# KiCad board XMS0004.kicad_pcb (continued)
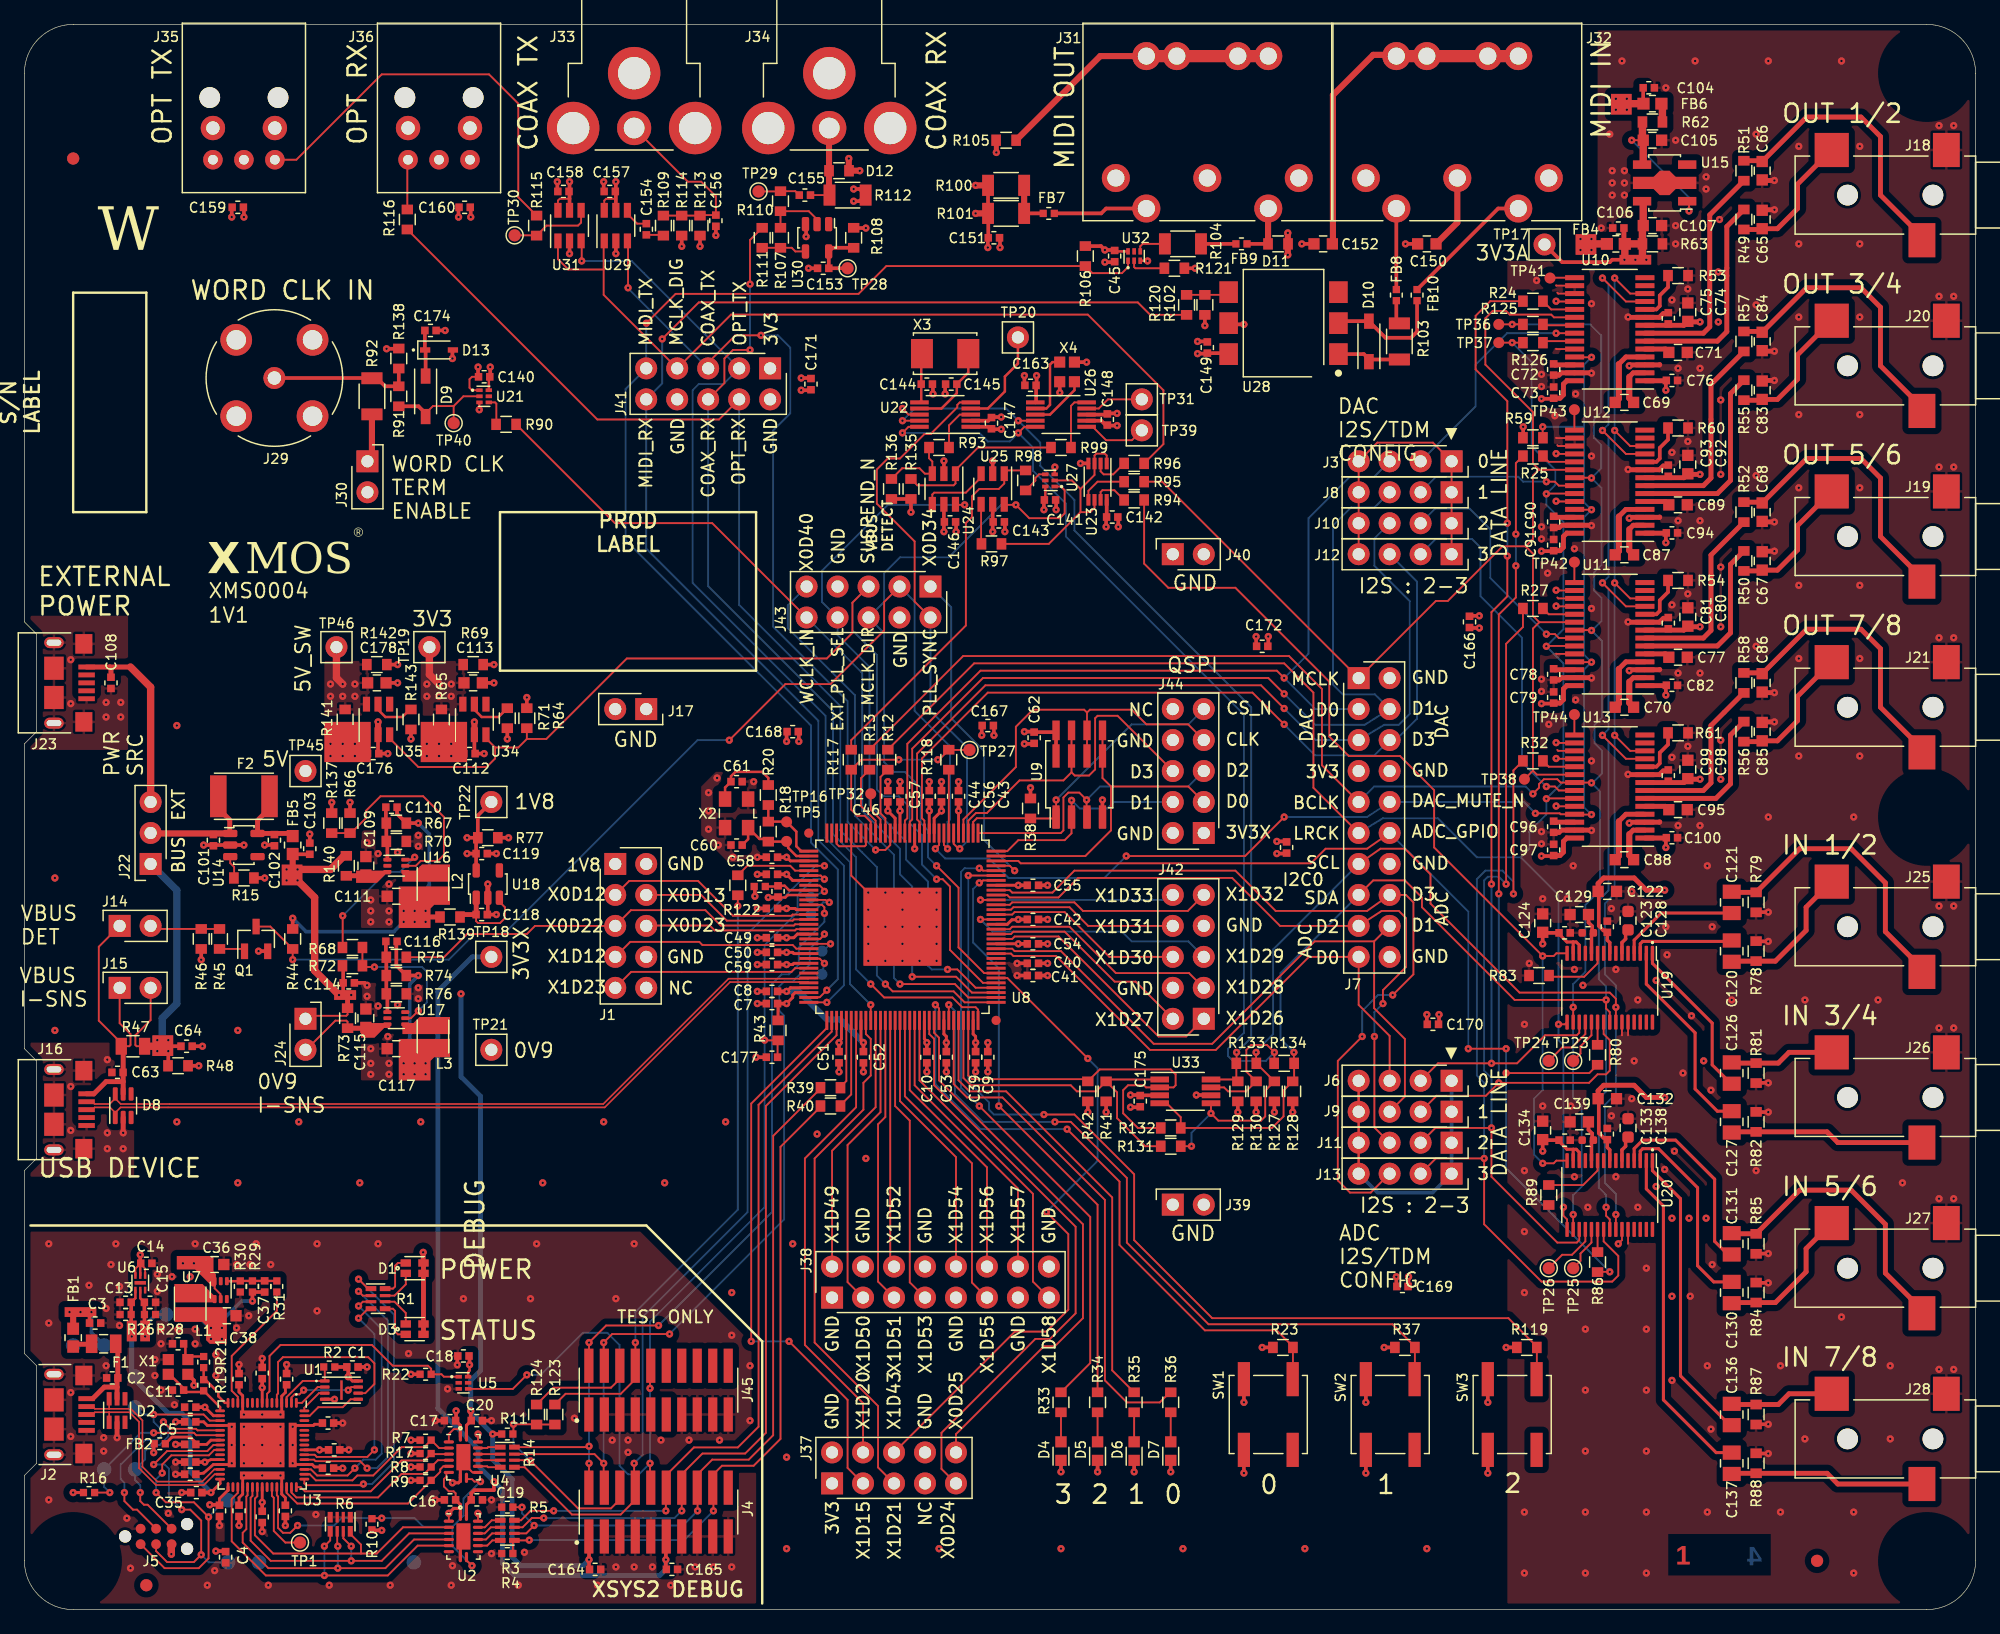
[diagram p0: board, top side]
## Routing (per net, layer and track width the routed paths; a pad name or vN(x,y) marks a point on that pad's centre or on a via; arc(x,y) is an arc through that point) (continued)
NetR95_1: length 4
  Layer 1 (Top) w0.15: R95.1 88,92.5 87.25,91.75 U23.5
NetR96_1: length 3
  Layer 1 (Top) w0.15: U23.2 88.25,93.35 88.5,93.1 89.28,93.1 R96.1
NetR97_1: length 3.3
  Layer 1 (Top) w0.15: R97.1 78.45,87.43 U25.4
NetR97_2: length 18.8
  Layer 1 (Top) w0.15: U23.1 88.75,94.65 88.6,94.8 87.9,94.8 87.75,94.65 U23.3 87.75,93.05 86.6,91.9 ; U23.6 87.75,90.35 87.4,90 86.6,90 ; U27.2 85.9,92.6 86.6,91.9 ; R97.2 84,87.4 86.6,90 ; 86.6,91.9 86.6,90
NetR98_1: length 2.3
  Layer 1 (Top) w0.15: U27.4 83.2,93.1 82.9,92.8 82.9,92.58 R98.1
NetR99_1: length 4.8
  Layer 1 (Top) w0.15: U26.10 86.1,99 85.82,98.72 R99.1
NetR99_2: length 13.6
  Layer 1 (Top) w0.15: R135.2 73.22,92.2 76.2,92.2 76.35,92.35 U24.1 76.35,93.45 78.2,95.3 R99.2
NetR102_1: length 3.6
  Layer 1 (Top) w0.15: 95.25,107.82 98.53,107.82 U28.4
NetR104_1: length 2.5
  Layer 1 (Top) w0.15: 93.45,112 91.7,112 91.5,111.8 U32.4
  Layer 1 (Top) w0.2: 93.45,112 93.49,111.97
  Layer 1 (Top) w0.3: 93.49,111.97 R104.1
NetR107_1: length 5
  Layer 1 (Top) w0.15: R107.1 R110.2 64.32,114.68 65,114 U30.2
NetR107_2: length 3.7
  Layer 1 (Top) w0.15: U30.4 63.22,111.38 62.92,111.68 R107.2 R111.1
NetR115_1: length 6.9
  Layer 1 (Top) w0.15: TP30.1 41.98,112.7 ; U31.4 45.65,113.75 45.4,113.5 42.82,113.5 R115.1
NetR118_2: length 5.2
  Layer 1 (Top) w0.15: U8.7 R118.2
NetR121_2: length 3
  Layer 1 (Top) w0.15: U32.2 91,110.1 91.1,110 R121.2
NetR122_2: length 6.3
  Layer 1 (Top) w0.15: U8.37 63.2,60.6 62.8,61 59.28,61 R122.2
NetR125_2: length 2.6
  Layer 1 (Top) w0.15: R125.2 124.6,105.33 U10.21
NetR126_2: length 2.7
  Layer 1 (Top) w0.15: U10.23 124.65,104.03 R126.2
NetR143_2: length 3.7
  Layer 1 (Top) w0.2: 31.7,73.92 30.98,73.2 29.6,73.2 29,73.8 U35.5
NetTP1_1: length 6.2
  Layer 1 (Top) w0.15: TP1.1 21.4,5.5 20.45,6.45 20.45,9.17 20.3,9.32 U3.40
NetTP2_1: length 2.4
  Layer 1 (Top) w0.15: U8.55 64.34,53.38 65.22,53.38 v1(65.6,53)
  Layer 4 (Bottom) w0.15: TP2.1 v1(65.6,53)
NetTP20_1: length 8.2
  Layer 1 (Top) w0.2: U22.4 79,98.5 80.4,99.9 80.4,101.12 81.47,102.19 TP20.1
NetTP23_1: length 3.8
  Layer 1 (Top) w0.15: TP23.1 127.6,45.6 127.6,46.2 128.5,47.1 U19.20
NetTP24_1: length 4.9
  Layer 1 (Top) w0.15: U19.19 128,47.2 126.9,46.1 126.1,46.1 TP24.1
NetTP25_1: length 3.8
  Layer 1 (Top) w0.15: TP25.1 127.6,28.6 127.6,29.2 128.5,30.1 U20.20
NetTP26_1: length 4.9
  Layer 1 (Top) w0.15: TP26.1 126.1,29.1 126.9,29.1 128,30.2 U20.19
NetTP31_1: length 4.8
  Layer 1 (Top) w0.15: TP31.1 88.85,99.25 88.1,98.5 U26.9
NetTP33_1: length 2.8
  Layer 1 (Top) w0.15: v1(65.6,58.9) 65.6,59 65.22,59.38 64.34,59.38 U8.40
  Layer 4 (Bottom) w0.15: TP33.1 v1(65.6,58.9)
NetTP34_1: length 2.7
  Layer 1 (Top) w0.15: U8.52 v1(66.1,54.6)
  Layer 4 (Bottom) w0.15: TP34.1 65.5,54 v1(66.1,54.6)
NetTP35_1: length 3.7
  Layer 1 (Top) w0.15: v1(66,58) 65.89,58 65.69,58.2 U8.43
  Layer 4 (Bottom) w0.15: TP35.1 65.5,58 v1(66,58)
NetTP39_1: length 5.3
  Layer 1 (Top) w0.15: 87.6,97 88.7,95.9 90.82,95.9 TP39.1
  Layer 1 (Top) w0.2: U26.6 87.6,97
NetTP41_1: length 2
  Layer 1 (Top) w0.15: TP41.1 125.13,109.23 U10.15
NetTP42_1: length 1.7
  Layer 1 (Top) w0.15: TP42.1 127.1,84.25 U11.15
NetTP43_1: length 1.7
  Layer 1 (Top) w0.15: TP43.1 127.1,96.75 U12.15
NetTP44_1: length 1.7
  Layer 1 (Top) w0.15: U13.15 127.1,71.75 TP44.1
NetU24_4: length 5.7
  Layer 1 (Top) w0.15: U24.4 74.45,91.45 74.6,91.6 77.2,91.6 78.45,92.85 U25.3
NetU26_2: length 5.5
  Layer 1 (Top) w0.2: X4.1 84.31,102.31 84.1,102.1 84.1,98.8 83.8,98.5 U26.2
NetU26_3: length 4.7
  Layer 1 (Top) w0.2: X4.3 86.11,100.01 84.1,98 U26.3
OE_N: length 30.1
  Layer 1 (Top) w0.15: R10.1 28.55,7.5 v1(29.3,7.5) ; U4.9 36.35,10.7 36.7,10.7 36.9,10.5 v1(37.4,10.5) ; v1(36.7,3.6) 36.25,4.05 U2.9 ; U3.41 20.7,9.38 20.8,9.28 20.8,6.7 21.2,6.3 21.8,6.3 v1(22.4,6.9)
  Layer 4 (Bottom) w0.15: 35.1,6.8 32.7,6.8 32,7.5 v1(29.3,7.5) 26,7.5 25.4,6.9 v1(22.4,6.9) ; 35.1,6.8 36,7.7 36,9.1 v1(37.4,10.5) ; 35.1,6.8 35.1,5.2 v1(36.7,3.6)
OPT_RX: length 97
  Layer 1 (Top) w0.15: J41.4 56.96,97.6 46.98,97.6 R116.2 ; v1(70.6,51.3) 71.2,50.7 76.2,50.7 77.1,49.8 U8.97
  Layer 4 (Bottom) w0.15: J41.4 58.61,82.39 66.9,74.1 66.9,63.9 69.9,60.9 69.9,52 v1(70.6,51.3)
OPT_TX: length 80.5
  Layer 1 (Top) w0.15: U8.74 v1(69.4,49.6) ; U31.3 45.7,112.2 v1(45.7,110.6)
  Layer 4 (Bottom) w0.15: v1(45.7,110.6) 49.8,110.6 J41.3 57.32,100.5 55.3,100.5 54.8,100 54.8,84.2 65.7,73.3 65.7,63.3 67.7,61.3 67.7,51.3 v1(69.4,49.6)
PLL_SYNC: length 46.1
  Layer 1 (Top) w0.15: U8.6 76.2,62.8 76.6,62.4 v1(76.7,62.4) ; J43.2 73,82.66 73,87.6 69.9,90.7 69.9,93.5 70.8,94.4 71.8,94.4 73.8,96.4 74.3,96.4 76.5,98.6 76.5,98.8 76.7,99 U22.5
  Layer 4 (Bottom) w0.15: v1(76.7,62.4) 77.3,63 77.3,70.7 74.3,73.7 J43.2
QSPI_CLK: length 31.3
  Layer 1 (Top) w0.15: U8.4 77,64.8 81.3,69.1 81.3,72.4 82.7,73.8 86.9,73.8 87.14,73.57 ; 87.14,73.57 87.37,73.8 90.8,73.8 92,72.6 95.42,72.6 J44.7 ; 87.14,73.57 U9.6 U9#2.6
QSPI_CS_N: length 24.5
  Layer 1 (Top) w0.15: U8.2 77.8,64.6 78.1,64.9 82.5,64.9 ; R38.1 84.58,64.88 U9.1 84.6,64.9 v1(84.6,66.4)
  Layer 4 (Bottom) w0.15: v1(84.6,66.4) 90.8,72.6 95.46,72.6 J44.9
QSPI_D0: length 26.9
  Layer 1 (Top) w0.15: 89.1,67.5 88.41,68.2 U9#2.5 U9.5 ; 89.1,67.5 89.1,63.9 87,61.8 U8.127 ; 89.1,67.5 95.44,67.5 J44.3
QSPI_D1: length 18.3
  Layer 1 (Top) w0.15: v1(85.87,66.37) 85.87,64.9 U9.2 85.87,63.67 85.3,63.1 81.5,63.1 80.6,62.2 U8.128
  Layer 4 (Bottom) w0.15: v1(85.87,66.37) 86.54,65.7 88.8,65.7 89.33,66.23 J44.4
QSPI_D2: length 24.3
  Layer 1 (Top) w0.15: U9#2.3 U9.3 87.1,64.93 v1(87.1,66.4) 86.5,67 85.6,67 85.2,66.6 85.2,63.9 84.98,63.68 U8.1
  Layer 4 (Bottom) w0.15: v1(87.1,66.4) 88.2,67.5 95.44,67.5 J44.5
QSPI_D3: length 29.3
  Layer 1 (Top) w0.15: 85.87,68.67 85.2,68 81.6,68 78.93,65.33 78.03,65.33 77.4,64.7 U8.3 ; 85.87,68.67 86.13,68.4 87.3,68.4 87.8,68.9 87.8,73.1 88,73.3 89.64,73.3 J44.6 ; 85.87,68.67 U9#2.7 U9.7
RST_N: length 90
  Layer 1 (Top) w0.15: v1(51.3,18.15) 51.3,19.94 J45.10 ; v1(65.6,59.9) 65.3,60.2 U8.38 ; v1(60.7,46.7) 60.72,46.68 R43.1 61.76,46.64 C177.1 ; v1(41.2,19.25) 40.05,18.1 U5.4 ; J4.10 51.3,10.07 v1(51.3,12)
  Layer 4 (Bottom) w0.15: v1(65.6,59.9) 64.7,59.9 63.4,58.6 63.4,57.2 60.7,54.5 v1(60.7,46.7) 60.7,33 51.3,23.6 v1(51.3,18.15) v1(51.3,12) 50.4,11.1 49.5,11.1 48.8,11.8 48.8,21.7 47.8,22.7 45.8,22.7 42.35,19.25 v1(41.2,19.25)
RST_N_L: length 14.2
  Layer 1 (Top) w0.15: v1(10.6,14.5) 13.9,14.5 14.1,14.3 U3.21 ; R16.1 v1(7,9.6)
  Layer 4 (Bottom) w0.15: v1(10.6,14.5) 9.54,14.5 TP8.1 6.54,10.06 v1(7,9.6)
RST_N_OUT: length 21.2
  Layer 1 (Top) w0.15: U5.1 34.4,19.1 34.2,19.3 R22.1 33.35,19.75 33.1,20 30.2,20 28.5,21.7 21,21.7 20.1,20.8 20.1,17.9 19.9,17.7 U3.7
SUSPEND_N: length 90.5
  Layer 1 (Top) w0.15: J43.5 67.9,82.58 67.9,80.1 65.8,78 49.4,78 42.8,71.4 41.2,71.4 ; U35.3 29.95,71.45 32.3,69.1 37.9,69.1 38.6,69.8 38.6,70.7 ; 41.2,71.4 40.5,70.7 38.6,70.7 ; 41.2,71.4 R64.2 ; v1(74.8,59.9) 75.3,59.9 75.9,59.3 75.9,54.1 78.6,51.4 U8.101 ; 38.6,70.7 37.85,71.45 U34.3
  Layer 4 (Bottom) w0.15: v1(74.8,59.9) 73.6,61.1 73.6,63.5 72.6,64.5 72.6,65.8 71.7,66.7 70.45,66.7 69.9,67.25 69.9,78.3 67.9,80.3 67.9,82.58 J43.5
TCK: length 67.5
  Layer 1 (Top) w0.15: v1(52.9,22.6) 48.2,22.6 v1(47.5,21.9) 47.5,20.06 J45.4 47.5,19.95 ; v1(65.6,55.4) 65.6,55.35 65.25,55 U8.51 ; R14.7 46.75,12.75 v1(47.5,12) 47.5,10.06 J4.4
  Layer 4 (Bottom) w0.15: v1(65.6,55.4) 64.4,54.2 64.4,52.9 63,51.5 62.3,51.5 61.9,51.1 61.9,49.1 62.3,48.7 62.3,32 v1(52.9,22.6) ; v1(47.5,12) v1(47.5,21.9)
TCK_L: length 25.2
  Layer 1 (Top) w0.15: J5.1 11.49,3.4 14.3,3.4 15.1,4.2 v1(15.1,7.6) 13.9,8.8 11.6,8.8 v1(10.8,9.6) ; U3.24 15.58,13.1 15.12,12.65 12.05,12.65 11.3,11.9 v1(11.3,11.2)
  Layer 4 (Bottom) w0.15: TP3.1 16.46,8.96 v1(15.1,7.6) ; v1(11.3,11.2) 10.8,10.7 v1(10.8,9.6)
TDI: length 72.2
  Layer 1 (Top) w0.15: v1(50,12) 50,10.1 J4.8 50.1,8.98 49.8,8.68 49.78,8.68 48.9,7.8 44.9,7.8 41.03,11.68 R14.5 ; U8.36 v1(65.6,61)
  Layer 4 (Bottom) w0.15: v1(50,12) 50.7,12.7 50.7,24 59.3,32.6 59.3,55.44 64.86,61 v1(65.6,61)
TDI_L: length 20.4
  Layer 1 (Top) w0.15: U3.18 15.2,15.5 14.7,16 v1(10.6,16) ; J5.4 9.23,8.2 8.9,8.2 8.2,8.9 v1(8.2,9.6)
  Layer 4 (Bottom) w0.15: TP6.1 9.66,16 v1(10.6,16) 10.6,15.4 11.2,14.8 11.2,14.2 10.9,13.9 9.9,13.9 7.9,11.9 7.9,10.7 8.2,10.4 v1(8.2,9.6)
TDO: length 19.4
  Layer 1 (Top) w0.15: R14.6 41.45,12.25 v1(41.5,12.2) 45.4,8.3 48.1,8.3 48.48,8.68 48.53,8.68 48.83,8.98 J4.6 48.8,10.03 ; R123.2 R124.1 41.98,15.2 v1(40.1,15.2) 40.1,14.45 R11.1
  Layer 4 (Bottom) w0.15: v1(40.1,15.2) 40.1,13.6 v1(41.5,12.2)
TDO_EXT: length 8.8
  Layer 1 (Top) w0.15: J45.6 48.83,18.93 48.1,18.2 43.38,18.2 R124.2
TDO_L: length 16.8
  Layer 1 (Top) w0.15: J5.6 10.1,8.6 9.8,8.6 9.5,8.9 v1(9.5,9.6) ; U3.20 14.2,14.7 14.08,14.83 11.97,14.83 v1(11.4,15.4)
  Layer 4 (Bottom) w0.15: v1(11.4,15.4) 11.8,15 11.8,14.2 11.1,13.5 10.4,13.5 9.9,13 9.9,12.32 TP7.1 9.08,10.62 9.5,10.2 v1(9.5,9.6)
TDO_X: length 50.6
  Layer 1 (Top) w0.15: R123.1 44.38,17.7 48.9,17.7 50.1,18.9 J45.8 50.1,20.01 v1(50.1,21.9) ; v1(58.5,57.7) R122.1
  Layer 4 (Bottom) w0.15: v1(58.5,57.7) 58.5,32.8 50.1,24.4 v1(50.1,21.9)
TMS: length 67.9
  Layer 1 (Top) w0.15: v1(65.6,57.1) 65.6,57.6 65.4,57.8 U8.44 ; v1(46.3,13.4) 46.23,13.33 R14.8 ; v1(52,23.3) 47.7,23.3 v1(46.3,21.9) 46.3,20.02 J45.2 46.3,19.99 ; v1(46.3,12) 46.3,10.02 J4.2
  Layer 4 (Bottom) w0.15: v1(52,23.3) 61.3,32.6 61.3,51.3 62.1,52.1 62.7,52.1 63.5,52.9 63.5,54.3 65.6,56.4 v1(65.6,57.1) ; v1(46.3,21.9) v1(46.3,13.4) v1(46.3,12)
TMS_L: length 23.4
  Layer 1 (Top) w0.15: v1(10.6,11.9) 11.7,13 15,13 15.5,13.5 U3.23 ; v1(12.9,8.2) 13.6,8.2 14.5,7.3 v1(14.5,4.5) 13.9,3.9 11.7,3.9 10.8,4.8 J5.3
  Layer 4 (Bottom) w0.15: v1(14.5,4.5) 15.12,3.88 TP4.1 ; v1(12.9,8.2) 11.85,9.25 11.85,11.55 11.5,11.9 v1(10.6,11.9)
USB_D_N: length 64.7
  Layer 1 (Top) w0.13: U8.59 64.27,51.75 63.53,51.75 63.53,51.74 57.74,51.74 47.47,41.47 7.9,41.47 7.45,41.91 D8.6 7.45,41.92 6.99,41.47 5.76,41.47 5.58,41.65 J16.2
USB_D_P: length 64.3
  Layer 1 (Top) w0.13: 7.45,40.75 7.89,41.19 47.59,41.19 57.86,51.46 63.53,51.46 63.53,51.46 64.27,51.46 U8.60 ; 7.45,40.75 7.02,41.19 5.76,41.19 5.58,41 J16.3 ; 7.45,40.75 D8.1
USB_VBUS: length 25.6
  Layer 1 (Top) w0.15: 9.82,46.2 9.2,46.2 9.1,46.3 9.1,47.1 10.35,48.35 J15.2
  Layer 1 (Top) w0.3: v1(11.8,45.8) 11.8,44.62 R48.2 ; 11.8,46.2 C64.1
  Layer 1 (Top) w0.4: 11.78,46.72 v1(11.8,46.7)
  Layer 1 (Top) w0.6: 9.82,46.2 10.9,46.2
  Layer 4 (Bottom) w0.6: J22.1 12.5,59 12.5,49.7 11.3,48.5 11.3,46.3
  vias: v1(10.9,46.7) v1(10.9,45.8)
WCLK_IN: length 70.8
  Layer 1 (Top) w0.15: v1(72.8,51.9) 76.4,51.9 77.7,50.6 U8.99 ; J43.10 56.4,89.1 48.42,89.1 R90.2
  Layer 4 (Bottom) w0.15: v1(72.8,51.9) 72.8,59.3 71.8,60.3 71.8,62.39 68.7,65.49 68.7,76.8 J43.10
X0D12: length 17.6
  Layer 1 (Top) w0.15: U8.46 63,57 62.9,56.9 58.1,56.9 55.24,59.76 49.6,59.76 J1.3
X0D13: length 14.2
  Layer 1 (Top) w0.15: J1.4 55.49,58.61 57.6,56.5 63,56.5 63.1,56.6 U8.47
X0D22: length 35.2
  Layer 1 (Top) w0.15: U8.48 63.2,56.2 63.1,56.1 57.1,56.1 55.84,57.36 49.74,57.36 J1.5 41.87,56.07 41.2,55.4 36.3,55.4 34.4,53.5 R75.1
X0D23: length 13.5
  Layer 1 (Top) w0.15: J1.6 51.02,56.1 56.2,56.1 56.6,55.7 63.2,55.7 63.3,55.8 U8.49
X0D24: length 48.7
  Layer 1 (Top) w0.15: J37.9 75.2,11.54 75.2,14.5 82.9,22.2 84.1,22.2 86.2,24.3 86.2,31.4 74.6,43 74.6,46.8 74.2,47.2 U8.86
X0D25: length 45.3
  Layer 1 (Top) w0.15: J37.10 76.39,14.39 83.6,21.6 84.5,21.6 86.8,23.9 86.8,31.6 75,43.4 75,46.9 74.6,47.3 U8.87
X0D34: length 27.8
  Layer 1 (Top) w0.15: v1(81.2,60.6) 80.8,61 U8.125
  Layer 4 (Bottom) w0.15: v1(81.2,60.6) 78.7,63.1 78.7,70.4 76,73.1 76,82.2 J43.1
X0D40: length 45.4
  Layer 1 (Top) w0.15: v1(71.8,51.3) 76.3,51.3 77.4,50.2 U8.98
  Layer 4 (Bottom) w0.15: J43.9 62.6,82.36 62.6,80.5 68.1,75 68.1,65.1 71.3,61.9 71.3,51.8 v1(71.8,51.3)
X1D09: length 3.6
  Layer 1 (Top) w0.15: U8.21 70.2,64.8 69.4,65.6 TP32.1
X1D12: length 16.6
  Layer 1 (Top) w0.15: J1.7 49.68,54.76 55.34,54.76 55.6,54.5 63,54.5 63.3,54.2 U8.53
X1D15: length 46.2
  Layer 1 (Top) w0.15: J37.3 67.5,11.62 67.5,17.2 v1(62.7,22) ; v1(59.6,22) 59.6,41.5 65.72,47.62 65.76,47.62 65.8,47.66 U8.65
  Layer 4 (Bottom) w0.15: v1(59.6,22) v1(62.7,22)
X1D20: length 39.1
  Layer 1 (Top) w0.15: U8.71 68.2,41.2 64,37 64,21.7 68.77,16.93 J37.4
X1D21: length 42.7
  Layer 1 (Top) w0.15: J37.5 70,11.66 70,16.7 64.8,21.9 64.8,37 68.8,41 68.8,43.2 69.4,43.8 69.4,46.8 69,47.2 U8.73
X1D23: length 16.5
  Layer 1 (Top) w0.15: J1.9 49.76,52.3 62.9,52.3 63.2,52.6 U8.57
X1D26: length 21.1
  Layer 1 (Top) w0.15: U8.110 81,55 81.2,55.2 84.8,55.2 93,47 95.26,47 J42.1
X1D27: length 17.5
  Layer 1 (Top) w0.15: U8.111 80.9,55.4 81.1,55.6 85.3,55.6 89.4,51.5 91.12,51.5 J42.2
X1D28: length 19.2
  Layer 1 (Top) w0.15: U8.112 80.8,55.8 81,56 85.7,56 89.5,52.2 95.5,52.2 J42.3
X1D29: length 20.9
  Layer 1 (Top) w0.15: 79.71,56.63 U8.114 v1(78.4,56.6)
  Layer 4 (Bottom) w0.15: v1(78.4,56.6) 79.4,55.6 90,55.6 90.8,54.8 95.44,54.8 J42.5
X1D30: length 16.1
  Layer 1 (Top) w0.15: J42.6 88.97,53.53 85.3,57.2 81.2,57.2 81,57 U8.115
X1D31: length 15.2
  Layer 1 (Top) w0.15: J42.8 87.23,56.07 85.7,57.6 81.1,57.6 80.9,57.4 U8.116
X1D32: length 17.9
  Layer 1 (Top) w0.15: J42.9 95.4,57.3 86.8,57.3 86.1,58 81,58 80.8,57.8 U8.117
X1D33: length 17.2
  Layer 1 (Top) w0.15: v1(78.4,58.2) U8.118 ; 94.16,58.6 J42.10
  Layer 4 (Bottom) w0.15: v1(78.4,58.2) 93.31,58.2 93.72,58.61 J42.10
X1D43: length 52.8
  Layer 1 (Top) w0.15: v1(83.8,32.6) 85.6,30.8 85.6,24.6 83.8,22.8 81.22,22.8 J37.6 ; v1(87.2,45.2) 80.6,51.8 U8.102
  Layer 4 (Bottom) w0.15: v1(87.2,45.2) 88,44.4 88,36.8 v1(83.8,32.6)
X1D49: length 21.7
  Layer 1 (Top) w0.15: J38.2 66.23,37.63 69.8,41.2 U8.75
X1D50: length 24.4
  Layer 1 (Top) w0.15: J38.3 67.5,26.86 67.5,38.1 70.2,40.8 U8.76
X1D51: length 23.5
  Layer 1 (Top) w0.15: J38.5 70,26.9 70,39.8 70.6,40.4 U8.77
X1D52: length 20.3
  Layer 1 (Top) w0.15: U8.78 71,28.44 J38.6
X1D53: length 23.7
  Layer 1 (Top) w0.15: U8.79 71.4,41.3 72.6,40.1 72.6,26.84 J38.7
X1D54: length 22.1
  Layer 1 (Top) w0.15: J38.10 76.39,37.11 71.8,41.7 U8.80
X1D55: length 25.5
  Layer 1 (Top) w0.15: U8.81 72.2,42.1 77.7,36.6 77.7,26.82 J38.11
X1D56: length 22.8
  Layer 1 (Top) w0.15: J38.12 78.93,36.27 72.6,42.6 U8.82
X1D57: length 23.7
  Layer 1 (Top) w0.15: U8.83 73,43 81.47,34.53 J38.14
X1D58: length 27.1
  Layer 1 (Top) w0.15: J38.15 82.7,26.9 82.7,34.1 73.4,43.4 U8.84
X_ADC_D0: length 47.4
  Layer 1 (Top) w0.15: U8.107 80.9,53.8 81.1,53.6 84.6,53.6 92.3,45.9 97.7,45.9 105.33,53.53 J7.19 109.41,49.59 111.95,47.05 J6.3
X_ADC_D1: length 55
  Layer 1 (Top) w0.15: J9.3 113.2,42.08 113.2,46.8 110.68,49.32 110.68,54.8 ; U8.108 81,54.2 81.2,54 85,54 92.6,46.4 97.4,46.4 105.8,54.8 110.68,54.8 ; 110.68,54.8 J7.18
X_ADC_D2: length 56.6
  Layer 1 (Top) w0.15: v1(110.7,47) 110.7,39.54 J11.3 ; v1(111.4,49.7) 111.4,50.8 113.3,52.7 113.3,56.7 112.7,57.3 111.3,57.3 J7.17 102.97,56.07 99.04,60 86.4,60 84.8,58.4 80.8,58.4 80.6,58.6 U8.119
  Layer 4 (Bottom) w0.15: v1(110.7,47) 110.7,49 v1(111.4,49.7)
X_ADC_D3: length 68.5
  Layer 1 (Top) w0.15: U8.120 80.8,59 81,58.8 84.3,58.8 86.1,60.6 99.3,60.6 102.6,57.3 110.1,57.3 J7.16 113.29,58.61 113.9,58 113.9,52.1 v1(112.2,50.4) ; J13.3 110.4,34.2 108.7,34.2 107.7,35.2 107.7,45 v1(109.7,47)
  Layer 4 (Bottom) w0.15: v1(109.7,47) 109.7,49.1 111,50.4 v1(112.2,50.4)
X_DAC_D0: length 70.7
  Layer 1 (Top) w0.15: v1(103.3,76.4) 102.7,77 78.4,77 72.4,71 72.4,64.9 72.2,64.7 U8.16
  Layer 4 (Bottom) w0.15: J7.3 105.85,73.85 v1(103.3,76.4) 105.3,78.4 105.3,89.5 108.7,92.9 110.68,92.9 J3.3
X_DAC_D1: length 74.8
  Layer 1 (Top) w0.15: U8.15 72.6,64.6 72.8,64.8 72.8,70.6 78.6,76.4 102,76.4 v1(103.3,75.1)
  Layer 4 (Bottom) w0.15: J8.3 110.72,90.4 108.8,90.4 107.3,88.9 107.3,75.86 108.1,75.06 110.74,75.06 J7.4 109.9,72.56 105.84,72.56 v1(103.3,75.1)
X_DAC_D2: length 69.2
  Layer 1 (Top) w0.15: U8.13 73.4,64.6 73.2,64.8 73.2,70.2 78.8,75.8 101.4,75.8 v1(103.3,73.9)
  Layer 4 (Bottom) w0.15: v1(103.3,73.9) 105.89,71.31 J7.5 111.5,72.56 112.7,72.56 113.6,73.46 113.6,82.7 110.7,85.6 110.7,87.84 J10.3
X_DAC_D3: length 66.8
  Layer 1 (Top) w0.15: v1(103.3,72.6) 100.7,75.2 79,75.2 73.6,69.8 73.6,64.9 73.8,64.7 U8.12
  Layer 4 (Bottom) w0.15: v1(103.3,72.6) 105.84,70.06 110.7,70.06 J7.6 112.45,71.31 114.2,73.06 114.2,84.3 J12.3
XL_DN0: length 61.8
  Layer 1 (Top) w0.15: v1(53.9,8.1) 53.9,10 J4.14 53.91,11.11 55.6,12.8 59.1,12.8 60.8,14.5 60.8,41.3 66.6,47.1 U8.67 ; v1(42.59,7.51) 41.61,7.51 40.85,6.75 R3.7
  Layer 4 (Bottom) w0.15: v1(53.9,8.1) 53.3,7.5 42.81,7.5 42.8,7.51 v1(42.59,7.51)
XL_DN1: length 60.7
  Layer 1 (Top) w0.15: U8.66 66.2,47.4 60.2,41.4 60.2,15 58.5,13.3 54.9,13.3 52.64,11.04 J4.12 52.6,9.97 v1(52.6,8.1) ; R3.8 40.72,7.33 41.5,8.1 v1(43.4,8.1)
  Layer 4 (Bottom) w0.15: v1(43.4,8.1) v1(52.6,8.1)
XL_UP0: length 59.1
  Layer 1 (Top) w0.15: v1(41.8,6.9) 41.15,6.25 R3.6 ; R5.2 v1(40.8,8.4) ; R39.2 65.28,42.73 61.4,38.85 61.4,14.3 59.4,12.3 56.4,12.3 55.18,11.08 J4.16 55.2,9.98 v1(55.2,8.1)
  Layer 4 (Bottom) w0.15: v1(55.2,8.1) 54,6.9 v1(41.8,6.9) 40.8,7.9 v1(40.8,8.4)
XL_UP1: length 56.8
  Layer 1 (Top) w0.15: v1(56.5,8.1) 56.5,9.95 J4.18 56.45,11.05 57.2,11.8 59.8,11.8 62,14 62,37.95 65.28,41.23 R40.2 ; R4.2 40.05,5.55 R3.5 41.4,5.68
  Layer 4 (Bottom) w0.15: v1(41.4,5.7) 54.1,5.7 v1(56.5,8.1)
XS_TCK: length 14
  Layer 1 (Top) w0.15: U3.45 22.66,10.05 23,9.7 28.4,9.7 30.92,12.23 32.78,12.23 33.35,12.8 R17.2 33.4,12.75 U4.4
XS_TDSNK: length 14.8
  Layer 1 (Top) w0.15: U3.44 21.9,9.6 22.3,9.2 29,9.2 30.92,11.13 32.78,11.13 33.35,11.7 R8.1 33.91,12.25 U4.5
XS_TDSRC: length 15.5
  Layer 1 (Top) w0.15: U3.43 21.5,9.58 22.38,8.7 31.46,8.7 33.35,10.6 R9.1 33.4,10.6 34.1,11.3 34.1,11.5 34.35,11.75 U4.6
XS_TMS: length 13.7
  Layer 1 (Top) w0.15: U3.47 23.4,11.1 23.9,10.6 26.9,10.6 27.3,11 28.6,11 30.92,13.33 32.78,13.33 33.35,13.9 R7.1 34,13.25 U4.3
XS_XL_DN0: length 25
  Layer 1 (Top) w0.15: v1(26.8,5.2) 26.15,5.85 R6.7 ; U2.4 31.55,6.25 29.3,4 20.2,4 18.55,5.65 18.55,9.17 18.7,9.32 U3.36
  Layer 4 (Bottom) w0.15: v1(26.8,4) v1(26.8,5.2)
XS_XL_DN1: length 23.6
  Layer 1 (Top) w0.15: 27.6,4.6 27.6,5.33 26.72,6.21 R6.8 ; 27.6,4.6 20.4,4.6 18.9,6.1 18.9,9.1 19.1,9.3 U3.37 ; 27.6,4.6 28.9,4.6 31.05,6.75 U2.3
XS_XL_UP0: length 26.5
  Layer 1 (Top) w0.15: U2.5 31.95,5.75 29.6,3.4 20,3.4 17.9,5.5 17.9,6.3 18.2,6.6 18.2,9.28 18.3,9.38 U3.35 ; v1(25.7,5.2) 25.65,5.25 R6.6
  Layer 4 (Bottom) w0.15: v1(25.7,3.4) v1(25.7,5.2)
XS_XL_UP1: length 28.4
  Layer 1 (Top) w0.15: U3.33 17.5,9.58 17,9.08 17,5.6 19.8,2.8 29.8,2.8 32.25,5.25 U2.6 ; R6.5 25.08,5.68 v1(24.6,5.2)
  Layer 4 (Bottom) w0.15: v1(24.6,2.8) v1(24.6,5.2)

## Copper pours and planes (outline as drawn; the poured copper is in the pictures)
0V9 on Layer 1 (Top) (solid shape): 34.9,46.8 34.9,45.3 33.6,45.3 33.3,45 33.3,43.4 30.7,43.4 30.7,46.8
0V9 on Layer 1 (Top): 79.5,53.6 82.6,53.6 82.6,51.6 81,51.6 80.2,52.4 79.5,52.4
0V9 on Layer 3 (PWR): 71.2,64.9 71.21,64.86 71.23,64.83 71.26,64.81 71.3,64.8 73.6,64.8 73.64,64.81 73.67,64.83 73.69,64.86 73.7,64.9 73.7,66 74.6,66 74.6,64.9 74.61,64.86 74.63,64.83 74.66,64.81 74.7,64.8 76,64.8 76.04,64.81 76.07,64.83 76.09,64.86 76.1,64.9 76.1,66 76.86,66 80.4,62.46 80.4,58.2 80.41,58.16 80.43,58.13 80.46,58.11 80.5,58.1 82,58.1 82,55.8 80.9,55.8 80.86,55.79 80.83,55.77 80.81,55.74 80.8,55.7 80.8,54 80.81,53.96 80.83,53.93 80.86,53.91 80.9,53.9 82,53.9 82,48.44 79.56,46 76.9,46 76.9,47.1 76.89,47.14 76.87,47.17 76.84,47.19 76.8,47.2 74.8,47.2 74.76,47.19 74.73,47.17 74.71,47.14 74.7,47.1 74.7,46 71.3,46 71.3,47.1 71.29,47.14 71.27,47.17 71.24,47.19 71.2,47.2 68.4,47.2 68.36,47.19 68.33,47.17 67.73,46.57 67.71,46.54 67.7,46.5 67.7,43.1 30.4,43.1 30.4,45.76 33.44,48.8 62.7,48.8 62.74,48.81 62.77,48.83 63.47,49.53 63.49,49.56 63.5,49.6 63.5,53.4 63.49,53.44 63.47,53.47 63.44,53.49 63.4,53.5 62,53.5 62,57.8 61.99,57.84 61.97,57.87 61.94,57.89 61.9,57.9 59.5,57.9 59.5,60.9 63.1,60.9 63.14,60.91 63.17,60.93 63.19,60.96 63.2,61 63.2,64.9 65.8,64.9 65.84,64.91 65.87,64.93 66.94,66 71.2,66
0V9_DBG on Layer 1 (Top) (solid shape): 16.6,21.8 16.6,24.8 12.3,24.8 12.3,23.6 14.6,23.6 14.9,23.3 14.9,22.1 15.2,21.8
0V9_DBG on Layer 3 (PWR): 18.8,18 18.81,17.96 18.83,17.93 19.33,17.43 19.36,17.41 19.4,17.4 20.76,17.4 22.7,15.46 22.7,11.84 21.16,10.3 17.84,10.3 15.37,12.77 15.34,12.79 15.3,12.8 14.2,12.8 14.16,12.79 14.13,12.77 13.76,12.4 10.1,12.4 10.1,13.4 13.3,13.4 13.34,13.41 13.37,13.43 15.47,15.53 15.49,15.56 15.5,15.6 15.5,17 15.49,17.04 15.47,17.07 14.5,18.04 14.5,23.7 18.8,23.7
1V8 on Layer 3 (PWR): 42.93,64.93 42.96,64.91 43,64.9 63,64.9 63,61.1 59.4,61.1 59.36,61.09 59.33,61.07 59.31,61.04 59.3,61 59.3,57.8 59.31,57.76 59.33,57.73 59.36,57.71 59.4,57.7 61.8,57.7 61.8,53.4 61.81,53.36 61.83,53.33 61.86,53.31 61.9,53.3 63.3,53.3 63.3,49.64 62.66,49 35,49 35,51.7 39.6,51.7 39.64,51.71 39.67,51.73 39.69,51.76 39.7,51.8 39.7,55.4 39.69,55.44 39.67,55.47 35.6,59.54 35.6,65.96 37.04,67.4 40.46,67.4
1V8_DBG on Layer 3 (PWR): 28.4,22 28.41,21.96 28.43,21.93 28.46,21.91 28.5,21.9 37.7,21.9 37.7,1 5.61,1 5.89,1.17 6.25,1.44 6.56,1.75 6.83,2.11 7.06,2.49 7.23,2.9 7.34,3.34 7.4,3.78 7.4,4.22 7.34,4.66 7.23,5.1 7.06,5.51 6.83,5.89 6.56,6.25 6.25,6.56 5.89,6.83 5.51,7.06 5.1,7.23 4.66,7.34 4.22,7.4 3.78,7.4 3.34,7.34 2.9,7.23 2.49,7.06 2.11,6.83 1.75,6.56 1.44,6.25 1.17,5.89 1,5.61 1,10.58 1.71,11.29 1.8,11.39 1.87,11.5 1.93,11.62 1.97,11.74 1.99,11.87 2,12 2,20 1.99,20.13 1.97,20.26 1.93,20.38 1.87,20.5 1.8,20.61 1.71,20.71 1,21.42 1,21.8 9.35,21.8 9.39,21.81 9.42,21.83 9.44,21.86 9.45,21.9 9.45,23.51 11.94,26 28.4,26
3V3 on Layer 1 (Top): 32.5,73.2 36.3,73.2 36.3,77.8 32.5,77.8
3V3 on Layer 3 (PWR): 127.93,121.93 127.96,121.91 128,121.9 130.4,121.9 130.4,110 130.41,109.96 130.43,109.93 133.4,106.96 133.4,29.04 124.46,20.1 88.5,20.1 88.46,20.09 88.43,20.07 76.96,8.6 64.6,8.6 64.6,30.66 72.34,38.4 86.5,38.4 86.54,38.41 86.57,38.43 86.59,38.46 86.6,38.5 86.6,56.96 91.54,61.9 98.1,61.9 98.14,61.91 98.17,61.93 98.19,61.96 98.2,62 98.2,65.5 98.19,65.54 98.17,65.57 98.14,65.59 98.1,65.6 83.6,65.6 83.6,72.5 83.59,72.54 83.57,72.57 83.07,73.07 83.04,73.09 83,73.1 81.5,73.1 81.46,73.09 81.43,73.07 78.96,70.6 38.54,70.6 36.57,72.57 36.54,72.59 36.5,72.6 29.6,72.6 29.6,78 29.59,78.04 29.57,78.07 6.1,101.54 6.1,116.96 10.54,121.4 73.46,121.4 75.93,118.93 75.96,118.91 76,118.9 83,118.9 83.04,118.91 83.07,118.93 87.04,122.9 126.96,122.9
3V3_DBG on Layer 3 (PWR): 33.8,26.2 11.9,26.2 11.86,26.19 11.83,26.17 9.28,23.62 9.26,23.59 9.25,23.55 9.25,22 8.2,22 8.2,25.26 10.34,27.4 14.7,27.4 14.74,27.41 14.77,27.43 14.79,27.46 14.8,27.5 14.8,30.9 33.8,30.9
3V3A on Layer 3 (PWR): 138.4,40.6 133.6,40.6 133.6,107 133.59,107.04 133.57,107.07 130.6,110.04 130.6,111.4 138.4,111.4
3V3X on Layer 1 (Top) (solid shape): 36.3,72.8 32.5,72.8 32.5,69.5 36.3,69.5
3V3X on Layer 1 (Top) (solid shape): 34.9,59.3 34.9,57.8 33.6,57.8 33.3,57.5 33.3,55.9 30.7,55.9 30.7,59.3
3V3X on Layer 3 (PWR): 83.4,72.46 83.4,65.5 83.41,65.46 83.43,65.43 83.46,65.41 83.5,65.4 98,65.4 98,62.1 91.5,62.1 91.46,62.09 91.43,62.07 86.43,57.07 86.41,57.04 86.4,57 86.4,38.6 72.34,38.6 67.9,43.04 67.9,46.46 68.44,47 71.1,47 71.1,45.9 71.11,45.86 71.13,45.83 71.16,45.81 71.2,45.8 74.8,45.8 74.84,45.81 74.87,45.83 74.89,45.86 74.9,45.9 74.9,47 76.7,47 76.7,45.9 76.71,45.86 76.73,45.83 76.76,45.81 76.8,45.8 79.6,45.8 79.64,45.81 79.67,45.83 82.17,48.33 82.19,48.36 82.2,48.4 82.2,54 82.19,54.04 82.17,54.07 82.14,54.09 82.1,54.1 81,54.1 81,55.6 82.1,55.6 82.14,55.61 82.17,55.63 82.19,55.66 82.2,55.7 82.2,58.2 82.19,58.24 82.17,58.27 82.14,58.29 82.1,58.3 80.6,58.3 80.6,62.5 80.59,62.54 80.57,62.57 76.97,66.17 76.94,66.19 76.9,66.2 76,66.2 75.96,66.19 75.93,66.17 75.91,66.14 75.9,66.1 75.9,65 74.8,65 74.8,66.1 74.79,66.14 74.77,66.17 74.74,66.19 74.7,66.2 73.6,66.2 73.56,66.19 73.53,66.17 73.51,66.14 73.5,66.1 73.5,65 71.4,65 71.4,66.1 71.39,66.14 71.37,66.17 71.34,66.19 71.3,66.2 66.9,66.2 66.86,66.19 66.83,66.17 65.76,65.1 43.04,65.1 40.57,67.57 40.54,67.59 40.5,67.6 37,67.6 36.96,67.59 36.93,67.57 35.43,66.07 35.41,66.04 35.4,66 35.4,59.5 35.41,59.46 35.43,59.43 39.5,55.36 39.5,51.9 34.94,51.9 31.67,55.17 31.64,55.19 31.6,55.2 28.1,55.2 28.1,56.96 29.57,58.43 29.59,58.46 29.6,58.5 29.6,72.4 36.46,72.4 38.43,70.43 38.46,70.41 38.5,70.4 79,70.4 79.04,70.41 79.07,70.43 81.54,72.9 82.96,72.9
5V on Layer 1 (Top) (solid shape): 28.4,72.8 24.6,72.8 24.6,69.5 28.4,69.5
5V on Layer 3 (PWR): 29.4,58.54 27.93,57.07 27.91,57.04 27.9,57 27.9,49.6 24.1,49.6 24.1,53 24.09,53.04 24.07,53.07 20.6,56.54 20.6,72.4 29.4,72.4
5V_DBG on Layer 1 (Top) (solid shape): 15.7,26.5 15.7,27.5 15.5,27.7 15.5,29 12.5,29 12.5,27.9 14,27.9 15.4,26.5
5V_DBG on Layer 3 (PWR): 14.6,27.6 10.3,27.6 10.26,27.59 10.23,27.57 8.03,25.37 8.01,25.34 8,25.3 8,22 1,22 1,30.9 14.6,30.9
5V_SW on Layer 1 (Top): 24.6,73.2 28.4,73.2 28.4,77.8 24.6,77.8
5V_SW on Layer 3 (PWR): 78.11,128.83 77.75,128.56 77.44,128.25 77.17,127.89 76.94,127.51 76.77,127.1 76.66,126.66 76.6,126.22 76.6,125.78 76.66,125.34 76.77,124.9 76.94,124.49 77.17,124.11 77.44,123.75 77.75,123.44 78.11,123.17 78.49,122.94 78.9,122.77 79.34,122.66 79.78,122.6 80.22,122.6 80.66,122.66 81.1,122.77 81.51,122.94 81.89,123.17 82.25,123.44 82.56,123.75 82.83,124.11 83.06,124.49 83.23,124.9 83.34,125.34 83.4,125.78 83.4,126.22 83.34,126.66 83.23,127.1 83.06,127.51 82.83,127.89 82.56,128.25 82.25,128.56 81.89,128.83 81.61,129 132.9,129 132.9,122.1 128.04,122.1 127.07,123.07 127.04,123.09 127,123.1 87,123.1 86.96,123.09 86.93,123.07 82.96,119.1 76.04,119.1 73.57,121.57 73.54,121.59 73.5,121.6 10.5,121.6 10.46,121.59 10.43,121.57 5.93,117.07 5.91,117.04 5.9,117 5.9,101.5 5.91,101.46 5.93,101.43 29.4,77.96 29.4,72.6 20.54,72.6 9.93,83.22 9.89,83.24 9.85,83.25 1,83.25 1,124.39 1.17,124.11 1.44,123.75 1.75,123.44 2.11,123.17 2.49,122.94 2.9,122.77 3.34,122.66 3.78,122.6 4.22,122.6 4.66,122.66 5.1,122.77 5.51,122.94 5.89,123.17 6.25,123.44 6.56,123.75 6.83,124.11 7.06,124.49 7.23,124.9 7.34,125.34 7.4,125.78 7.4,126.22 7.34,126.66 7.23,127.1 7.06,127.51 6.83,127.89 6.56,128.25 6.25,128.56 5.89,128.83 5.61,129 78.39,129
GND on Layer 1 (Top): 160,0 121.6,0 121.6,110.6 129,110.6 129,130 160,130
GND on Layer 1 (Top): 27.6,55.9 27.6,63.9 32.7,63.9 32.7,55.9
GND on Layer 1 (Top): 27.6,43.4 27.6,51.4 32.7,51.4 32.7,43.4
GND on Layer 1 (Top): 0,70.5 8.5,70.5 8.5,81.5 0,81.5 0,81 1,80 1,72 0,71
GND on Layer 1 (Top): 0,35.5 9,35.5 9,46.5 0,46.5 0,46 1,45 1,37 0,36
GND on Layer 1 (Top): 0,0 0,11 1,12 1,20 0,21 0,31 50.5,31 60,21.5 60,0
GND on Layer 1 (Top): 61,68.7 61,61.3 57.7,61.3 55.5,63.5 55.5,67.5 56.7,68.7
GND on Layer 4 (Bottom): 0,0 0,11 1,12 1,20 0,21 0,31 50.5,31 60,21.5 60,0
GND on Layer 2 (GND): 78.11,128.83 77.75,128.56 77.44,128.25 77.17,127.89 76.94,127.51 76.77,127.1 76.66,126.66 76.6,126.22 76.6,125.78 76.66,125.34 76.77,124.9 76.94,124.49 77.17,124.11 77.44,123.75 77.75,123.44 78.11,123.17 78.49,122.94 78.9,122.77 79.34,122.66 79.78,122.6 80.22,122.6 80.66,122.66 81.1,122.77 81.51,122.94 81.89,123.17 82.25,123.44 82.56,123.75 82.83,124.11 83.06,124.49 83.23,124.9 83.34,125.34 83.4,125.78 83.4,126.22 83.34,126.66 83.23,127.1 83.06,127.51 82.83,127.89 82.56,128.25 82.25,128.56 81.89,128.83 81.61,129 154.39,129 154.11,128.83 153.75,128.56 153.44,128.25 153.17,127.89 152.94,127.51 152.77,127.1 152.66,126.66 152.6,126.22 152.6,125.78 152.66,125.34 152.77,124.9 152.94,124.49 153.17,124.11 153.44,123.75 153.75,123.44 154.11,123.17 154.49,122.94 154.9,122.77 155.34,122.66 155.78,122.6 156.22,122.6 156.66,122.66 157.1,122.77 157.51,122.94 157.89,123.17 158.25,123.44 158.56,123.75 158.83,124.11 159,124.39 159,66.61 158.83,66.89 158.56,67.25 158.25,67.56 157.89,67.83 157.51,68.06 157.1,68.23 156.66,68.34 156.22,68.4 155.78,68.4 155.34,68.34 154.9,68.23 154.49,68.06 154.11,67.83 153.75,67.56 153.44,67.25 153.17,66.89 152.94,66.51 152.77,66.1 152.66,65.66 152.6,65.22 152.6,64.78 152.66,64.34 152.77,63.9 152.94,63.49 153.17,63.11 153.44,62.75 153.75,62.44 154.11,62.17 154.49,61.94 154.9,61.77 155.34,61.66 155.78,61.6 156.22,61.6 156.66,61.66 157.1,61.77 157.51,61.94 157.89,62.17 158.25,62.44 158.56,62.75 158.83,63.11 159,63.39 159,5.61 158.83,5.89 158.56,6.25 158.25,6.56 157.89,6.83 157.51,7.06 157.1,7.23 156.66,7.34 156.22,7.4 155.78,7.4 155.34,7.34 154.9,7.23 154.49,7.06 154.11,6.83 153.75,6.56 153.44,6.25 153.17,5.89 152.94,5.51 152.77,5.1 152.66,4.66 152.6,4.22 152.6,3.78 152.66,3.34 152.77,2.9 152.94,2.49 153.17,2.11 153.44,1.75 153.75,1.44 154.11,1.17 154.39,1 81.61,1 81.89,1.17 82.25,1.44 82.56,1.75 82.83,2.11 83.06,2.49 83.23,2.9 83.34,3.34 83.4,3.78 83.4,4.22 83.34,4.66 83.23,5.1 83.06,5.51 82.83,5.89 82.56,6.25 82.25,6.56 81.89,6.83 81.51,7.06 81.1,7.23 80.66,7.34 80.22,7.4 79.78,7.4 79.34,7.34 78.9,7.23 78.49,7.06 78.11,6.83 77.75,6.56 77.44,6.25 77.17,5.89 76.94,5.51 76.77,5.1 76.66,4.66 76.6,4.22 76.6,3.78 76.66,3.34 76.77,2.9 76.94,2.49 77.17,2.11 77.44,1.75 77.75,1.44 78.11,1.17 78.39,1 5.61,1 5.89,1.17 6.25,1.44 6.56,1.75 6.83,2.11 7.06,2.49 7.23,2.9 7.34,3.34 7.4,3.78 7.4,4.22 7.34,4.66 7.23,5.1 7.06,5.51 6.83,5.89 6.56,6.25 6.25,6.56 5.89,6.83 5.51,7.06 5.1,7.23 4.66,7.34 4.22,7.4 3.78,7.4 3.34,7.34 2.9,7.23 2.49,7.06 2.11,6.83 1.75,6.56 1.44,6.25 1.17,5.89 1,5.61 1,10.58 1.71,11.29 1.8,11.39 1.87,11.5 1.93,11.62 1.97,11.74 1.99,11.87 2,12 2,20 1.99,20.13 1.97,20.26 1.93,20.38 1.87,20.5 1.8,20.61 1.71,20.71 1,21.42 1,35.58 1.71,36.29 1.8,36.39 1.87,36.5 1.93,36.62 1.97,36.74 1.99,36.87 2,37 2,45 1.99,45.13 1.97,45.26 1.93,45.38 1.87,45.5 1.8,45.61 1.71,45.71 1,46.42 1,63.39 1.17,63.11 1.44,62.75 1.75,62.44 2.11,62.17 2.49,61.94 2.9,61.77 3.34,61.66 3.78,61.6 4.22,61.6 4.66,61.66 5.1,61.77 5.51,61.94 5.89,62.17 6.25,62.44 6.56,62.75 6.83,63.11 7.06,63.49 7.23,63.9 7.34,64.34 7.4,64.78 7.4,65.22 7.34,65.66 7.23,66.1 7.06,66.51 6.83,66.89 6.56,67.25 6.25,67.56 5.89,67.83 5.51,68.06 5.1,68.23 4.66,68.34 4.22,68.4 3.78,68.4 3.34,68.34 2.9,68.23 2.49,68.06 2.11,67.83 1.75,67.56 1.44,67.25 1.17,66.89 1,66.61 1,70.58 1.71,71.29 1.8,71.39 1.87,71.5 1.93,71.62 1.97,71.74 1.99,71.87 2,72 2,80 1.99,80.13 1.97,80.26 1.93,80.38 1.87,80.5 1.8,80.61 1.71,80.71 1,81.42 1,124.39 1.17,124.11 1.44,123.75 1.75,123.44 2.11,123.17 2.49,122.94 2.9,122.77 3.34,122.66 3.78,122.6 4.22,122.6 4.66,122.66 5.1,122.77 5.51,122.94 5.89,123.17 6.25,123.44 6.56,123.75 6.83,124.11 7.06,124.49 7.23,124.9 7.34,125.34 7.4,125.78 7.4,126.22 7.34,126.66 7.23,127.1 7.06,127.51 6.83,127.89 6.56,128.25 6.25,128.56 5.89,128.83 5.61,129 78.39,129
GND on Layer 3 (PWR): 154.11,128.83 153.75,128.56 153.44,128.25 153.17,127.89 152.94,127.51 152.77,127.1 152.66,126.66 152.6,126.22 152.6,125.78 152.66,125.34 152.77,124.9 152.94,124.49 153.17,124.11 153.44,123.75 153.75,123.44 154.11,123.17 154.49,122.94 154.9,122.77 155.34,122.66 155.78,122.6 156.22,122.6 156.66,122.66 157.1,122.77 157.51,122.94 157.89,123.17 158.25,123.44 158.56,123.75 158.83,124.11 159,124.39 159,66.61 158.83,66.89 158.56,67.25 158.25,67.56 157.89,67.83 157.51,68.06 157.1,68.23 156.66,68.34 156.22,68.4 155.78,68.4 155.34,68.34 154.9,68.23 154.49,68.06 154.11,67.83 153.75,67.56 153.44,67.25 153.17,66.89 152.94,66.51 152.77,66.1 152.66,65.66 152.6,65.22 152.6,64.78 152.66,64.34 152.77,63.9 152.94,63.49 153.17,63.11 153.44,62.75 153.75,62.44 154.11,62.17 154.49,61.94 154.9,61.77 155.34,61.66 155.78,61.6 156.22,61.6 156.66,61.66 157.1,61.77 157.51,61.94 157.89,62.17 158.25,62.44 158.56,62.75 158.83,63.11 159,63.39 159,5.61 158.83,5.89 158.56,6.25 158.25,6.56 157.89,6.83 157.51,7.06 157.1,7.23 156.66,7.34 156.22,7.4 155.78,7.4 155.34,7.34 154.9,7.23 154.49,7.06 154.11,6.83 153.75,6.56 153.44,6.25 153.17,5.89 152.94,5.51 152.77,5.1 152.66,4.66 152.6,4.22 152.6,3.78 152.66,3.34 152.77,2.9 152.94,2.49 153.17,2.11 153.44,1.75 153.75,1.44 154.11,1.17 154.39,1 81.61,1 81.89,1.17 82.25,1.44 82.56,1.75 82.83,2.11 83.06,2.49 83.23,2.9 83.34,3.34 83.4,3.78 83.4,4.22 83.34,4.66 83.23,5.1 83.06,5.51 82.83,5.89 82.56,6.25 82.25,6.56 81.89,6.83 81.51,7.06 81.1,7.23 80.66,7.34 80.22,7.4 79.78,7.4 79.34,7.34 78.9,7.23 78.49,7.06 78.11,6.83 77.75,6.56 77.44,6.25 77.17,5.89 76.94,5.51 76.77,5.1 76.66,4.66 76.6,4.22 76.6,3.78 76.66,3.34 76.77,2.9 76.94,2.49 77.17,2.11 77.44,1.75 77.75,1.44 78.11,1.17 78.39,1 37.9,1 37.9,22 37.89,22.04 37.87,22.07 37.84,22.09 37.8,22.1 28.6,22.1 28.6,26 33.9,26 33.94,26.01 33.97,26.03 33.99,26.06 34,26.1 34,31 33.99,31.04 33.97,31.07 33.94,31.09 33.9,31.1 1,31.1 1,35.58 1.71,36.29 1.8,36.39 1.87,36.5 1.93,36.62 1.97,36.74 1.99,36.87 2,37 2,45 1.99,45.13 1.97,45.26 1.93,45.38 1.87,45.5 1.8,45.61 1.71,45.71 1,46.42 1,63.39 1.17,63.11 1.44,62.75 1.75,62.44 2.11,62.17 2.49,61.94 2.9,61.77 3.34,61.66 3.78,61.6 4.22,61.6 4.66,61.66 5.1,61.77 5.51,61.94 5.89,62.17 6.25,62.44 6.56,62.75 6.83,63.11 7.06,63.49 7.23,63.9 7.34,64.34 7.4,64.78 7.4,65.22 7.34,65.66 7.23,66.1 7.06,66.51 6.83,66.89 6.56,67.25 6.25,67.56 5.89,67.83 5.51,68.06 5.1,68.23 4.66,68.34 4.22,68.4 3.78,68.4 3.34,68.34 2.9,68.23 2.49,68.06 2.11,67.83 1.75,67.56 1.44,67.25 1.17,66.89 1,66.61 1,70.58 1.71,71.29 1.8,71.39 1.87,71.5 1.93,71.62 1.97,71.74 1.99,71.87 2,72 2,80 1.99,80.13 1.97,80.26 1.93,80.38 1.87,80.5 1.8,80.61 1.71,80.71 1,81.42 1,83.04 9.81,83.04 20.4,72.46 20.4,56.5 20.41,56.46 20.43,56.43 23.9,52.96 23.9,49.5 23.91,49.46 23.93,49.43 23.96,49.41 24,49.4 28,49.4 28.04,49.41 28.07,49.43 28.09,49.46 28.1,49.5 28.1,55 31.56,55 34.8,51.76 34.8,49 33.4,49 33.36,48.99 33.33,48.97 30.23,45.87 30.21,45.84 30.2,45.8 30.2,43 30.21,42.96 30.23,42.93 30.26,42.91 30.3,42.9 67.76,42.9 72.16,38.5 64.43,30.77 64.41,30.74 64.4,30.7 64.4,8.5 64.41,8.46 64.43,8.43 64.46,8.41 64.5,8.4 77,8.4 77.04,8.41 77.07,8.43 88.54,19.9 124.5,19.9 124.54,19.91 124.57,19.93 133.57,28.93 133.59,28.96 133.6,29 133.6,40.4 138.5,40.4 138.54,40.41 138.57,40.43 138.59,40.46 138.6,40.5 138.6,111.5 138.59,111.54 138.57,111.57 138.54,111.59 138.5,111.6 130.6,111.6 130.6,121.9 133,121.9 133.04,121.91 133.07,121.93 133.09,121.96 133.1,122 133.1,129 154.39,129
NetC109_1 on Layer 1 (Top) (solid shape): 30,60.6 27.2,60.6 27.2,59.6 28.9,59.6 29.6,60.3 30,60.3
NetC115_1 on Layer 1 (Top) (solid shape): 30,48.1 27.6,48.1 27.6,46.9 28.7,46.9 29.5,47.7 30,47.7
NetL1_1 on Layer 1 (Top) (solid shape): 15.7,25.8 15.5,25.8 14.6,26.7 12.3,26.7 12.3,25.2 15.7,25.2
NetL2_1 on Layer 1 (Top) (solid shape): 31,60.6 32.1,60.6 32.6,61.1 34.9,61.1 34.9,59.7 31,59.7
NetL3_1 on Layer 1 (Top) (solid shape): 31,48.1 31.9,48.1 32.4,48.6 34.9,48.6 34.9,47.2 31,47.2

Small or netless copper shapes (teardrops, artwork), in the pictures only: 8 on Layer 2 (GND), 8 on Layer 3 (PWR)

## Text on the board
Layer 4 (Bottom): LAYER 4 (BOTTOM) | 4
Bottom Assembly: BOTTOM ASSEMBLY
Bottom Solder: BOTTOM SOLDER MASK
Bottom Paste: BOTTOM PASTE MASK
Bottom Overlay: BOTTOM SILKSCREEN
User.Drawings: DRILL DRAWING | 155 | 4 | 922 | 3 | 5 | 18 | 2 | 8 | 6 | 20 | 1159 Total | 2.65mm | 1.00mm | 1.10mm | 1.40mm | 1.70mm | 0.20mm | 0.50mm | 0.80mm | 1.60mm | 2.40mm | 3.20mm | PTH | NPTH | Slot | Round | = Routed Path Length + Tool Size = Slot length as defined in the PCB layout | = Calculated from tool start centre position to tool end centre position. | Slot definitions : | Hole Length | Routed Path Length | SYMBOL | HIT COUNT | FINISHED HOLE SIZE | PLATED | HOLE TYPE
Layer 1 (Top): LAYER 1 (TOP) | 1
Top Assembly: 1.) SOLDERPASTE - ROHS/LEAD FREE NO CLEAN SOLDERPASTE. | PCB ASSEMBLY INSTRUCTIONS | 2.) ENSURE THROUGH HOLE PINS OF USB CONNECTORS J23, J16 AND J2 ARE SOLDERED IN ADDITION TO SMD PADS. | 3.) TWO PIN COMPONENT ORIENTATION: | 4.) NOTE USB CONNECTORS J23, J16 AND J2 HAVE A LIP THAT SITS BELOW PCB SURFACE. | 5.) DO NOT EMPLOY CHEMICAL BOARD WASH OR CLEANING. | PADS HAVE NOT BEEN UNDERSIZED. | ASSEMBLER SHOULD UNDERSIZE PADS TO SUIT PROCESS. | SUGGEST 125UM MAX STENCIL THICKNESS. | POLARISED MOLDED CAPACITORS - PIN 1 IS THE POLARIY MARK PIN (POSITIVE). | MOLDED DIODES - PIN 1 IS THE POLARITY MARK PIN (CATHODE). | PANELISATION SHOULD ENSURE CLEARANCE FOR THIS TO ALLOW THE CONNECTORS TO SIT FLAT. | TOP ASSEMBLY
Top Solder: TOP SOLDER MASK
Top Paste: TOP PASTE MASK
Top Overlay: EXT_PLL_SEL | MCLK_DIR | MIDI_TX | MCLK_DIG | COAX_TX | OPT_TX | 3V3 | WCLK_IN | X1D49 | GND | X1D20 | SUSPEND_N | X1D52 | X1D43 | X0D34 | PLL_SYNC | X1D54 | X0D25 | X1D56 | X1D57 | EXT | BUS | MIDI_RX | COAX_RX | OPT_RX | X0D40 | X1D50 | X1D15 | X1D51 | X1D21 | X1D53 | NC | X0D24 | X1D55 | X1D58 | ADC | DAC | CLK | D2 | D0 | 3V3X | X1D32 | X1D29 | X1D28 | X1D26 | CS_N | D1 | D3 | DAC_MUTE_N | ADC_GPIO | 0 | 1 | 2 | 3 | X0D22 | X0D12 | X1D12 | X1D23 | 1V8 | X0D13 | X0D23 | X1D33 | X1D31 | X1D30 | X1D27 | I2C0 | SDA | MCLK | BCLK | LRCK | SCL | 5V_SW | DATA LINE | XMS0004 | 1V1 | 5V | 0V9 | QSPI | I2S : 2-3 | 3V3A | XSYS2 DEBUG | TOP SILKSCREEN | POWER | STATUS | OPT TX | OPT RX | COAX TX | COAX RX | MIDI OUT | MIDI IN | WORD CLK IN | OUT 1/2 | OUT 3/4 | OUT 5/6 | OUT 7/8 | IN 1/2 | IN 3/4 | IN 5/6 | IN 7/8 | ® | MOS | X | W | VBUS / I-SNS | VBUS / DET | DEBUG | EXTERNAL / POWER | USB DEVICE | S/N LABEL | PWR / SRC | 0V9 / I-SNS | WORD CLK / TERM ENABLE | PROD / LABEL | TEST ONLY | VBUS / DETECT | DAC I2S/TDM / CONFIG | ADC I2S/TDM / CONFIG
Layer 2 (GND): LAYER 2 (GND) | 2
Layer 3 (PWR): LAYER 3 (PWR) | 3
Profile: PROFILE LAYER
Top All Layers: XMS0004 = 1V1 = 17 AUG 2022
Fabrication: PCB FABRICATION INSTRUCTIONS | 1.) MINIMUM DESIGN TRACK/GAP - 0.13mm/0.15mm. | 2.) SUPPLIER MAY ADD COPPER THIEVING/BALANCING. | 3.) PLATING - BOARD TO BE PLATED WITH ELECTROLESS NICKEL/IMMERSION GOLD. | 4.) SOLDERMASK - LIQUID PHOTO IMAGEABLE SOLDERMASK (GREEN). | 5.) SILKSCREEN - COLOUR WHITE. | 6.) LAMINATE MATERIAL - FR4 (ROHS, LEAD FREE PROCESS COMPATIBLE - MINIMUM TWO REFLOW CYCLES). | 7.) FINISHED BOARD THICKNESS ACROSS PADS TO BE: MIN 1.42mm, NOM 1.57mm, MAX 1.72mm | 8.) FINISHED BOARD LAYER SPACINGS TO BE AS SHOWN BELOW. MAX TOLERANCE 10%. | PADS HAVE BEEN OVERSIZED. | SUPPLIER SHOULD REMOVE ANY SILKSCREEN WHICH OVERHANGS PADS. | FABRICATION INSTRUCTIONS | SHEET | A3 | CONFIDENTIAL INFORMATION. ALL RIGHTS RESERVED. | XMS0004 - XCORE.AI MC AUDIO | COPYRIGHT 2022 XMOS LTD | PROJECT NAME | DATE | REVISION | 1V1 | 1 | 2 | 3 | 4 | Layer | Name | Dielectric 1 | Top Solder | Dielectric 2 | Dielectric 3 | Top Overlay | Layer 1 (Top) | Layer 2 (GND) | Bottom Solder | Layer 3 (PWR) | Bottom Overlay | Layer 4 (Bottom) | FR-4 | Material | Solder Resist | 0.110mm | 0.010mm | 1.200mm | Thickness | 0.036mm | 3.5 | 4.2 | Constant | Board Layer Stack | 17 AUG 2022
